# Allegro board 6089-119-RevB_08.brd (continued)
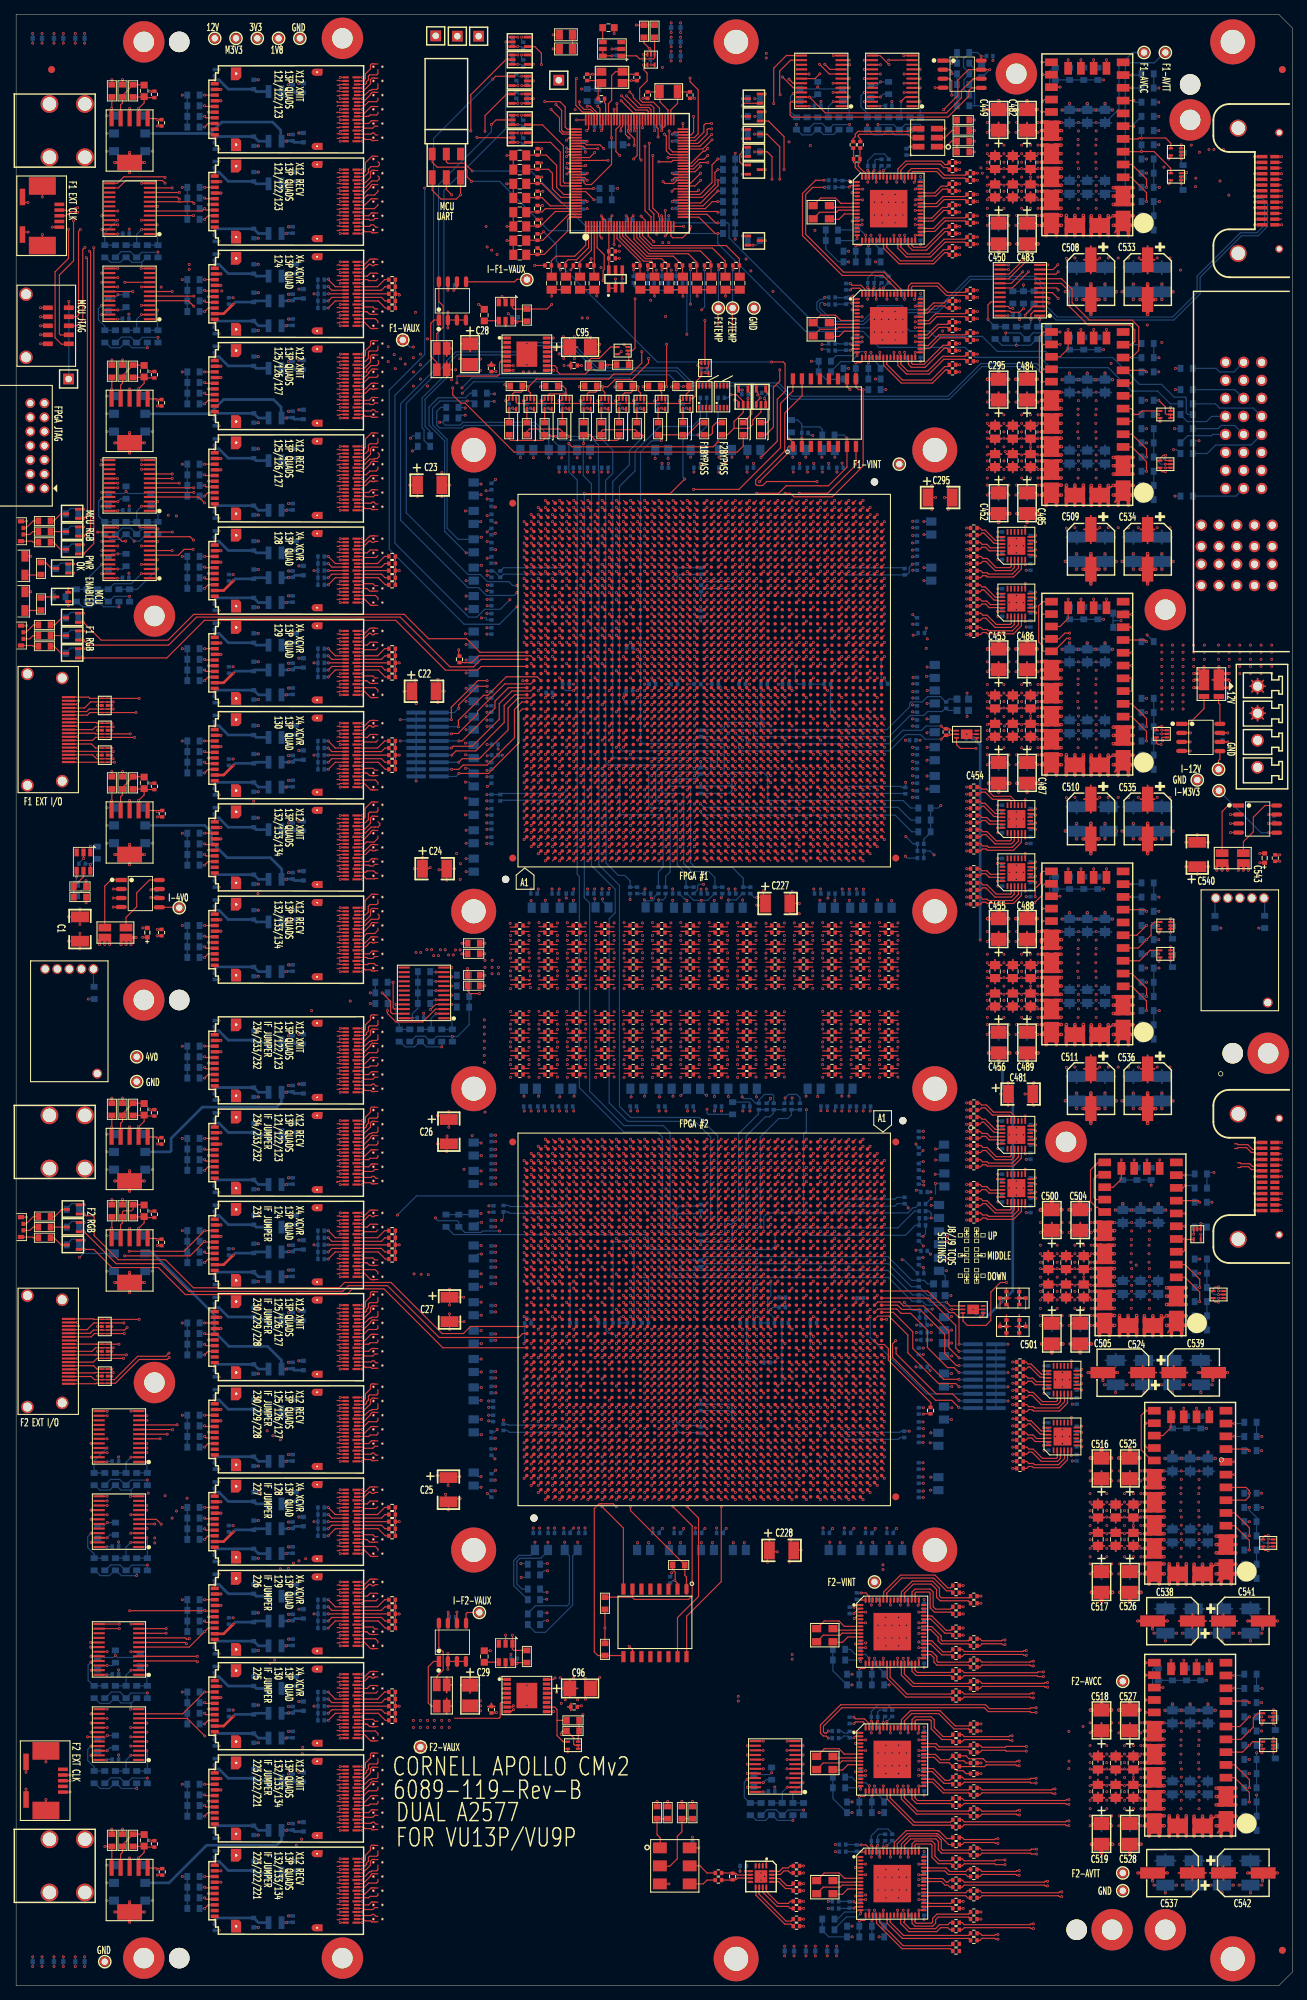
[diagram p0: board, top side]
## Routing (per net, layer and track width the routed paths; a pad name or vN(x,y) marks a point on that pad's centre or on a via; arc(x,y) is an arc through that point) (continued)
  GND4 w0.254: VA30.4 52.05,202.09 ; VA30.4 51.96,202.22 ; VA30.4 51.63,201.52 ; VA30.4 52.05,201.71 ; VA30.4 51.63,202.28 ; VA30.4 52.02,201.9 ; VA30.4 51.96,201.58 ; VA30.4 51.82,202.31 ; 50.04,28.08 VA95.3 ; VA95.3 50.04,28.72 ; VA95.3 50.18,27.99 ; VA95.3 49.98,28.4 ; VA95.3 50.37,28.02 ; VA95.3 49.95,28.21 ; VA95.3 50.37,28.78 ; VA95.3 49.95,28.59 ; VA58.4 51.96,126.08 ; VA58.4 51.96,126.72 ; VA58.4 52.05,126.21 ; VA58.4 52.05,126.59 ; VA58.4 51.82,126.81 ; VA58.4 51.63,126.02 ; VA58.4 52.02,126.4 ; VA58.4 51.63,126.78 ; 50.04,168.58 VA40.4 ; VA40.4 49.95,169.09 ; VA40.4 49.98,168.9 ; VA40.4 50.18,168.49 ; VA40.4 50.04,169.22 ; VA40.4 50.37,169.28 ; VA40.4 50.37,168.52 ; VA40.4 49.95,168.71 ; VA89.4 51.82,44.31 ; VA89.4 52.05,44.09 ; VA89.4 51.96,44.22 ; VA89.4 52.05,43.71 ; VA89.4 51.63,43.52 ; VA89.4 51.63,44.28 ; VA89.4 52.02,43.9 ; VA89.4 51.96,43.58 ; VA5.4 52.05,262.59 ; VA5.4 51.63,262.78 ; VA5.4 51.63,262.02 ; VA5.4 51.96,262.08 ; VA5.4 52.02,262.4 ; VA5.4 51.82,262.81 ; VA5.4 52.05,262.21 ; VA5.4 51.96,262.72 ; 5.43,169.74 J5.21 ; J5.21 6.5,168.67 ; J5.21 5.69,168.93 ; J5.21 7.31,168.93 ; J5.21 7.57,169.74 ; J5.21 7.31,170.54 ; J5.21 5.69,170.54 ; J5.21 6.5,170.8 ; VA99.4 51.63,19.78 ; VA99.4 51.96,19.08 ; VA99.4 52.05,19.59 ; VA99.4 52.05,19.21 ; VA99.4 51.63,19.02 ; VA99.4 51.82,19.81 ; VA99.4 51.96,19.72 ; VA99.4 52.02,19.4 ; 50.18,129.99 VA56.3 ; VA56.3 49.95,130.21 ; VA56.3 50.04,130.08 ; VA56.3 50.04,130.72 ; VA56.3 49.98,130.4 ; VA56.3 50.37,130.02 ; VA56.3 50.37,130.78 ; VA56.3 49.95,130.59 ; 50.04,68.22 VA82.3 ; VA82.3 49.95,68.09 ; VA82.3 49.95,67.71 ; VA82.3 50.37,67.52 ; VA82.3 49.98,67.9 ; VA82.3 50.04,67.58 ; VA82.3 50.37,68.28 ; VA82.3 50.18,67.49 ; 49.98,99.9 VA68.4 ; VA68.4 49.95,100.09 ; VA68.4 50.04,99.58 ; VA68.4 50.04,100.22 ; VA68.4 49.95,99.71 ; VA68.4 50.18,99.49 ; VA68.4 50.37,99.52 ; VA68.4 50.37,100.28 ; VA69.4 51.82,97.81 ; VA69.4 52.05,97.21 ; VA69.4 51.63,97.78 ; VA69.4 51.63,97.02 ; VA69.4 51.96,97.72 ; VA69.4 52.05,97.59 ; VA69.4 51.96,97.08 ; VA69.4 52.02,97.4 ; VA103.4 52.05,11.21 ; VA103.4 51.96,11.72 ; VA103.4 51.82,11.81 ; VA103.4 52.05,11.59 ; VA103.4 51.63,11.78 ; VA103.4 52.02,11.4 ; VA103.4 51.63,11.02 ; VA103.4 51.96,11.08 ; 50.37,223.02 VA21.3 ; VA21.3 50.04,223.08 ; VA21.3 49.98,223.4 ; VA21.3 50.04,223.72 ; VA21.3 49.95,223.59 ; VA21.3 50.37,223.78 ; VA21.3 49.95,223.21 ; VA21.3 50.18,222.99 ; VA92.3 51.96,35.22 ; VA92.3 51.96,34.58 ; VA92.3 51.82,35.31 ; VA92.3 51.63,34.52 ; VA92.3 52.05,34.71 ; VA92.3 52.02,34.9 ; VA92.3 52.05,35.09 ; VA92.3 51.63,35.28 ; 49.95,182.09 VA36.4 ; VA36.4 50.37,181.52 ; VA36.4 50.18,181.49 ; VA36.4 49.98,181.9 ; VA36.4 50.37,182.28 ; VA36.4 49.95,181.71 ; VA36.4 50.04,182.22 ; VA36.4 50.04,181.58 ; 49.95,229.59 VA18.3 ; VA18.3 50.04,229.72 ; VA18.3 50.04,229.08 ; VA18.3 50.37,229.78 ; VA18.3 49.98,229.4 ; VA18.3 50.18,228.99 ; VA18.3 50.37,229.02 ; VA18.3 49.95,229.21 ; VA48.4 51.63,151.78 ; VA48.4 52.05,151.21 ; VA48.4 52.02,151.4 ; VA48.4 51.96,151.72 ; VA48.4 52.05,151.59 ; VA48.4 51.96,151.08 ; VA48.4 51.82,151.81 ; VA48.4 51.63,151.02 ; 50.04,80.72 VA77.3 ; VA77.3 49.95,80.21 ; VA77.3 50.04,80.08 ; VA77.3 49.95,80.59 ; VA77.3 49.98,80.4 ; VA77.3 50.18,79.99 ; VA77.3 50.37,80.78 ; VA77.3 50.37,80.02 ; 49.95,97.59 VA69.3 ; VA69.3 50.18,96.99 ; VA69.3 49.95,97.21 ; VA69.3 50.37,97.78 ; VA69.3 50.04,97.08 ; VA69.3 50.37,97.02 ; VA69.3 50.04,97.72 ; VA69.3 49.98,97.4 ; 49.95,264.21 VA4.3 ; VA4.3 50.37,264.02 ; VA4.3 50.37,264.78 ; VA4.3 49.95,264.59 ; VA4.3 49.98,264.4 ; VA4.3 50.04,264.08 ; VA4.3 50.04,264.72 ; VA4.3 50.18,263.99 ; VA17.4 52.05,231.21 ; VA17.4 52.02,231.4 ; VA17.4 51.63,231.78 ; VA17.4 52.05,231.59 ; VA17.4 51.63,231.02 ; VA17.4 51.96,231.08 ; VA17.4 51.82,231.81 ; VA17.4 51.96,231.72 ; VA45.3 50.37,158.78 ; VA45.3 49.95,158.59 ; VA45.3 49.98,158.4 ; VA45.3 50.04,158.08 ; VA45.3 49.95,158.21 ; VA45.3 50.37,158.02 ; VA45.3 50.18,157.99 ; VA45.3 50.04,158.72 ; 49.95,22.21 VA98.3 ; VA98.3 50.04,22.08 ; VA98.3 50.04,22.72 ; VA98.3 50.18,21.99 ; VA98.3 49.98,22.4 ; VA98.3 50.37,22.78 ; VA98.3 49.95,22.59 ; VA98.3 50.37,22.02 ; 51.63,22.02 VA98.4 ; VA98.4 51.63,22.78 ; VA98.4 51.96,22.08 ; VA98.4 52.05,22.59 ; VA98.4 51.96,22.72 ; VA98.4 52.05,22.21 ; VA98.4 51.82,22.81 ; VA98.4 52.02,22.4 ; 49.95,17.59 VA100.3 ; VA100.3 50.04,17.08 ; VA100.3 50.37,17.78 ; VA100.3 49.95,17.21 ; VA100.3 50.37,17.02 ; VA100.3 50.18,16.99 ; VA100.3 49.98,17.4 ; VA100.3 50.04,17.72 ; 50.37,162.02 VA43.3 ; VA43.3 49.98,162.4 ; VA43.3 49.95,162.59 ; VA43.3 50.04,162.72 ; VA43.3 49.95,162.21 ; VA43.3 50.37,162.78 ; VA43.3 50.18,161.99 ; VA43.3 50.04,162.08 ; 49.98,268.4 VA2.3 ; VA2.3 50.18,267.99 ; VA2.3 50.04,268.08 ; VA2.3 50.04,268.72 ; VA2.3 50.37,268.78 ; VA2.3 50.37,268.02 ; VA2.3 49.95,268.59 ; VA2.3 49.95,268.21 ; 49.95,218.21 VA23.3 ; VA23.3 49.98,218.4 ; VA23.3 50.18,217.99 ; VA23.3 50.37,218.78 ; VA23.3 50.04,218.72 ; VA23.3 49.95,218.59 ; VA23.3 50.37,218.02 ; VA23.3 50.04,218.08 ; VA76.4 51.82,82.81 ; VA76.4 51.63,82.02 ; VA76.4 51.63,82.78 ; VA76.4 52.05,82.59 ; VA76.4 51.96,82.08 ; VA76.4 51.96,82.72 ; VA76.4 52.02,82.4 ; VA76.4 52.05,82.21 ; VA88.3 51.82,48.31 ; VA88.3 51.96,47.58 ; VA88.3 51.96,48.22 ; VA88.3 51.63,47.52 ; VA88.3 52.05,48.09 ; VA88.3 51.63,48.28 ; VA88.3 52.05,47.71 ; VA88.3 52.02,47.9 ; 51.63,247.02 VA12.4 ; VA12.4 51.82,247.81 ; VA12.4 52.05,247.59 ; VA12.4 51.96,247.72 ; VA12.4 52.02,247.4 ; VA12.4 51.96,247.08 ; VA12.4 52.05,247.21 ; VA12.4 51.63,247.78 ; 49.98,123.4 VA59.3 ; VA59.3 50.04,123.72 ; VA59.3 49.95,123.21 ; VA59.3 50.04,123.08 ; VA59.3 50.37,123.02 ; VA59.3 50.18,122.99 ; VA59.3 50.37,123.78 ; VA59.3 49.95,123.59 ; VA73.3 50.37,89.78 ; VA73.3 50.04,89.08 ; VA73.3 50.04,89.72 ; VA73.3 50.18,88.99 ; VA73.3 49.98,89.4 ; VA73.3 50.37,89.02 ; VA73.3 49.95,89.59 ; VA73.3 49.95,89.21 ; 50.18,248.99 VA11.3 ; VA11.3 50.04,249.72 ; VA11.3 49.95,249.59 ; VA11.3 50.37,249.78 ; VA11.3 49.95,249.21 ; VA11.3 49.98,249.4 ; VA11.3 50.04,249.08 ; VA11.3 50.37,249.02 ; VA78.4 52.05,78.59 ; VA78.4 52.05,78.21 ; VA78.4 51.96,78.72 ; VA78.4 51.63,78.78 ; VA78.4 52.02,78.4 ; VA78.4 51.63,78.02 ; VA78.4 51.96,78.08 ; VA78.4 51.82,78.81 ; VA24.4 51.96,216.08 ; VA24.4 51.96,216.72 ; VA24.4 52.02,216.4 ; VA24.4 51.63,216.78 ; VA24.4 52.05,216.21 ; VA24.4 52.05,216.59 ; VA24.4 51.82,216.81 ; VA24.4 51.63,216.02 ; VA66.4 51.96,107.22 ; VA66.4 52.02,106.9 ; VA66.4 52.05,107.09 ; VA66.4 51.63,106.52 ; VA66.4 52.05,106.71 ; VA66.4 51.96,106.58 ; VA66.4 51.63,107.28 ; VA66.4 51.82,107.31 ; VA31.3 52.05,197.09 ; VA31.3 51.63,196.52 ; VA31.3 51.82,197.31 ; VA31.3 52.02,196.9 ; VA31.3 52.05,196.71 ; VA31.3 51.96,197.22 ; VA31.3 51.63,197.28 ; VA31.3 51.96,196.58 ; 49.95,191.09 VA33.3 ; VA33.3 49.98,190.9 ; VA33.3 50.04,191.22 ; VA33.3 50.37,190.52 ; VA33.3 50.37,191.28 ; VA33.3 49.95,190.71 ; VA33.3 50.04,190.58 ; VA33.3 50.18,190.49 ; 49.98,13.4 VA102.3 ; VA102.3 49.95,13.21 ; VA102.3 50.04,13.72 ; VA102.3 50.37,13.02 ; VA102.3 49.95,13.59 ; VA102.3 50.04,13.08 ; VA102.3 50.18,12.99 ; VA102.3 50.37,13.78 ; VA101.4 51.63,15.78 ; VA101.4 51.96,15.08 ; VA101.4 52.05,15.59 ; VA101.4 51.96,15.72 ; VA101.4 51.82,15.81 ; VA101.4 52.02,15.4 ; VA101.4 51.63,15.02 ; VA101.4 52.05,15.21 ; VA41.4 52.05,166.59 ; VA41.4 51.63,166.02 ; VA41.4 51.96,166.72 ; VA41.4 51.96,166.08 ; VA41.4 51.63,166.78 ; VA41.4 52.05,166.21 ; VA41.4 52.02,166.4 ; VA41.4 51.82,166.81 ; VA64.4 51.96,113.72 ; VA64.4 51.63,113.78 ; VA64.4 51.82,113.81 ; VA64.4 52.02,113.4 ; VA64.4 52.05,113.21 ; VA64.4 51.96,113.08 ; VA64.4 51.63,113.02 ; VA64.4 52.05,113.59 ; VA41.3 50.37,166.78 ; VA41.3 49.95,166.21 ; VA41.3 50.37,166.02 ; VA41.3 50.04,166.08 ; VA41.3 49.95,166.59 ; VA41.3 49.98,166.4 ; VA41.3 50.18,165.99 ; VA41.3 50.04,166.72 ; VA11.4 52.02,249.4 ; VA11.4 52.05,249.59 ; VA11.4 51.63,249.02 ; VA11.4 51.96,249.08 ; VA11.4 51.63,249.78 ; VA11.4 52.05,249.21 ; VA11.4 51.96,249.72 ; VA11.4 51.82,249.81 ; VA19.4 52.02,227.4 ; VA19.4 51.96,227.08 ; VA19.4 51.82,227.81 ; VA19.4 51.63,227.02 ; VA19.4 52.05,227.59 ; VA19.4 51.96,227.72 ; VA19.4 52.05,227.21 ; VA19.4 51.63,227.78 ; VA4.4 51.96,264.72 ; VA4.4 51.82,264.81 ; VA4.4 51.63,264.02 ; VA4.4 52.05,264.59 ; VA4.4 51.96,264.08 ; VA4.4 52.02,264.4 ; VA4.4 51.63,264.78 ; VA4.4 52.05,264.21 ; VA20.4 52.02,225.4 ; VA20.4 52.05,225.59 ; VA20.4 51.63,225.02 ; VA20.4 51.63,225.78 ; VA20.4 52.05,225.21 ; VA20.4 51.96,225.08 ; VA20.4 51.82,225.81 ; VA20.4 51.96,225.72 ; 49.98,113.4 VA64.3 ; VA64.3 50.18,112.99 ; VA64.3 49.95,113.21 ; VA64.3 50.37,113.78 ; VA64.3 50.04,113.72 ; VA64.3 49.95,113.59 ; VA64.3 50.37,113.02 ; VA64.3 50.04,113.08 ; VA1.4 51.96,270.72 ; VA1.4 52.02,270.4 ; VA1.4 51.63,270.78 ; VA1.4 51.63,270.02 ; VA1.4 51.82,270.81 ; VA1.4 52.05,270.59 ; VA1.4 52.05,270.21 ; VA1.4 51.96,270.08 ; 50.04,270.08 VA1.3 ; VA1.3 49.95,270.21 ; VA1.3 49.98,270.4 ; VA1.3 50.37,270.02 ; VA1.3 50.04,270.72 ; VA1.3 50.18,269.99 ; VA1.3 50.37,270.78 ; VA1.3 49.95,270.59 ; VA93.4 52.02,32.4 ; VA93.4 51.96,32.08 ; VA93.4 52.05,32.21 ; VA93.4 51.96,32.72 ; VA93.4 51.63,32.02 ; VA93.4 51.63,32.78 ; VA93.4 52.05,32.59 ; VA93.4 51.82,32.81 ; VA26.4 51.63,212.78 ; VA26.4 52.02,212.4 ; VA26.4 51.96,212.08 ; VA26.4 51.96,212.72 ; VA26.4 51.63,212.02 ; VA26.4 52.05,212.21 ; VA26.4 52.05,212.59 ; VA26.4 51.82,212.81 ; VA83.3 51.96,63.22 ; VA83.3 52.05,62.71 ; VA83.3 51.63,63.28 ; VA83.3 52.02,62.9 ; VA83.3 52.05,63.09 ; VA83.3 51.63,62.52 ; VA83.3 51.96,62.58 ; VA83.3 51.82,63.31 ; VA90.4 51.96,41.58 ; VA90.4 51.96,42.22 ; VA90.4 51.63,41.52 ; VA90.4 52.02,41.9 ; VA90.4 52.05,42.09 ; VA90.4 51.82,42.31 ; VA90.4 52.05,41.71 ; VA90.4 51.63,42.28 ; 49.98,225.4 VA20.3 ; VA20.3 50.04,225.08 ; VA20.3 49.95,225.59 ; VA20.3 49.95,225.21 ; VA20.3 50.04,225.72 ; VA20.3 50.18,224.99 ; VA20.3 50.37,225.78 ; VA20.3 50.37,225.02 ; 50.18,177.49 VA37.3 ; VA37.3 49.95,178.09 ; VA37.3 50.04,177.58 ; VA37.3 49.95,177.71 ; VA37.3 50.37,178.28 ; VA37.3 50.04,178.22 ; VA37.3 50.37,177.52 ; VA37.3 49.98,177.9 ; VA7.4 51.96,257.72 ; VA7.4 52.05,257.59 ; VA7.4 51.63,257.02 ; VA7.4 51.63,257.78 ; VA7.4 51.82,257.81 ; VA7.4 51.96,257.08 ; VA7.4 52.02,257.4 ; VA7.4 52.05,257.21 ; 50.18,8.99 VA104.3 ; VA104.3 49.95,9.21 ; VA104.3 50.04,9.72 ; VA104.3 50.37,9.02 ; VA104.3 49.95,9.59 ; VA104.3 50.04,9.08 ; VA104.3 50.37,9.78 ; VA104.3 49.98,9.4 ; VA63.4 52.02,115.4 ; VA63.4 51.96,115.08 ; VA63.4 51.63,115.78 ; VA63.4 52.05,115.21 ; VA63.4 51.96,115.72 ; VA63.4 52.05,115.59 ; VA63.4 51.63,115.02 ; VA63.4 51.82,115.81 ; J5.22 6.5,185.33 ; J5.22 7.31,185.07 ; J5.22 7.31,183.46 ; J5.22 6.5,183.2 ; J5.22 7.57,184.26 ; J5.22 5.69,183.46 ; J5.22 5.69,185.07 ; J5.22 5.43,184.26 ; PM9.1 40.67,273.73 ; PM9.1 40,273.52 ; PM9.1 40,275.28 ; PM9.1 40.67,275.07 ; PM9.1 39.33,273.73 ; PM9.1 39.12,274.4 ; PM9.1 39.33,275.07 ; PM9.1 40.88,274.4 ; 50.04,134.72 VA54.3 ; VA54.3 50.04,134.08 ; VA54.3 49.98,134.4 ; VA54.3 50.37,134.02 ; VA54.3 49.95,134.59 ; VA54.3 50.18,133.99 ; VA54.3 49.95,134.21 ; VA54.3 50.37,134.78 ; VA29.4 52.05,204.09 ; VA29.4 51.63,203.52 ; VA29.4 51.96,204.22 ; VA29.4 52.02,203.9 ; VA29.4 51.82,204.31 ; VA29.4 52.05,203.71 ; VA29.4 51.63,204.28 ; VA29.4 51.96,203.58 ; VA57.4 51.82,128.81 ; VA57.4 51.96,128.08 ; VA57.4 52.05,128.59 ; VA57.4 52.02,128.4 ; VA57.4 51.63,128.78 ; VA57.4 52.05,128.21 ; VA57.4 51.96,128.72 ; VA57.4 51.63,128.02 ; VA102.4 51.63,13.78 ; VA102.4 51.63,13.02 ; VA102.4 51.96,13.72 ; VA102.4 52.02,13.4 ; VA102.4 51.96,13.08 ; VA102.4 52.05,13.21 ; VA102.4 51.82,13.81 ; VA102.4 52.05,13.59 ; VA22.4 52.05,221.59 ; VA22.4 52.05,221.21 ; VA22.4 51.63,221.02 ; VA22.4 51.96,221.08 ; VA22.4 51.82,221.81 ; VA22.4 51.63,221.78 ; VA22.4 51.96,221.72 ; VA22.4 52.02,221.4 ; 50.04,210.72 VA27.3 ; VA27.3 50.37,210.78 ; VA27.3 50.37,210.02 ; VA27.3 50.04,210.08 ; VA27.3 49.95,210.59 ; VA27.3 49.98,210.4 ; VA27.3 50.18,209.99 ; VA27.3 49.95,210.21 ; VA51.4 52.05,145.59 ; VA51.4 52.05,145.21 ; VA51.4 51.63,145.78 ; VA51.4 51.82,145.81 ; VA51.4 51.96,145.08 ; VA51.4 51.96,145.72 ; VA51.4 52.02,145.4 ; VA51.4 51.63,145.02 ; 50.04,93.08 VA71.3 ; VA71.3 49.95,93.21 ; VA71.3 50.18,92.99 ; VA71.3 49.95,93.59 ; VA71.3 50.37,93.02 ; VA71.3 50.37,93.78 ; VA71.3 49.98,93.4 ; VA71.3 50.04,93.72 ; PM3.1 17,128.28 ; PM3.1 16.12,127.4 ; PM3.1 16.33,128.07 ; PM3.1 17.67,128.07 ; PM3.1 17,126.52 ; PM3.1 17.67,126.73 ; PM3.1 16.33,126.73 ; PM3.1 17.88,127.4 ; VA35.3 51.63,184.28 ; VA35.3 51.96,183.58 ; VA35.3 52.05,183.71 ; VA35.3 51.82,184.31 ; VA35.3 52.02,183.9 ; VA35.3 52.05,184.09 ; VA35.3 51.63,183.52 ; VA35.3 51.96,184.22 ; 50.18,252.99 VA9.3 ; VA9.3 49.98,253.4 ; VA9.3 50.04,253.08 ; VA9.3 50.37,253.02 ; VA9.3 49.95,253.59 ; VA9.3 50.04,253.72 ; VA9.3 50.37,253.78 ; VA9.3 49.95,253.21 ; J6.23 2.64,97.7 ; J6.23 1.6,96.18 ; J6.23 2.4,96.44 ; J6.23 1.15,96.2 ; J6.23 2.05,98.29 ; J6.23 2.66,97.25 ; J6.23 2.4,98.05 ; J6.23 1.6,98.32 ; J6.20 2.64,82 ; J6.20 1.6,80.48 ; J6.20 1.15,80.51 ; J6.20 2.66,81.55 ; J6.20 1.6,82.62 ; J6.20 2.05,82.6 ; J6.20 2.4,80.75 ; J6.20 2.4,82.36 ; VA76.3 50.37,82.78 ; VA76.3 50.04,82.08 ; VA76.3 49.95,82.59 ; VA76.3 49.98,82.4 ; VA76.3 50.37,82.02 ; VA76.3 49.95,82.21 ; VA76.3 50.04,82.72 ; VA76.3 50.18,81.99 ; VA61.4 52.05,119.21 ; VA61.4 51.96,119.08 ; VA61.4 51.63,119.78 ; VA61.4 51.96,119.72 ; VA61.4 51.63,119.02 ; VA61.4 52.02,119.4 ; VA61.4 52.05,119.59 ; VA61.4 51.82,119.81 ; VA44.4 51.96,160.72 ; VA44.4 51.63,160.02 ; VA44.4 51.96,160.08 ; VA44.4 52.02,160.4 ; VA44.4 51.63,160.78 ; VA44.4 51.82,160.81 ; VA44.4 52.05,160.59 ; VA44.4 52.05,160.21 ; 50.37,43.52 VA89.3 ; VA89.3 49.95,43.71 ; VA89.3 49.98,43.9 ; VA89.3 50.37,44.28 ; VA89.3 50.04,44.22 ; VA89.3 50.04,43.58 ; VA89.3 50.18,43.49 ; VA89.3 49.95,44.09 ; 50.04,242.58 VA13.3 ; VA13.3 49.98,242.9 ; VA13.3 50.18,242.49 ; VA13.3 50.37,242.52 ; VA13.3 50.37,243.28 ; VA13.3 49.95,242.71 ; VA13.3 49.95,243.09 ; VA13.3 50.04,243.22 ; 50.04,143.08 VA52.3 ; VA52.3 49.95,143.21 ; VA52.3 50.37,143.02 ; VA52.3 50.18,142.99 ; VA52.3 50.04,143.72 ; VA52.3 49.95,143.59 ; VA52.3 50.37,143.78 ; VA52.3 49.98,143.4 ; VA27.4 52.05,210.21 ; VA27.4 51.82,210.81 ; VA27.4 51.96,210.72 ; VA27.4 51.96,210.08 ; VA27.4 52.02,210.4 ; VA27.4 51.63,210.02 ; VA27.4 52.05,210.59 ; VA27.4 51.63,210.78 ; VA95.4 51.96,28.72 ; VA95.4 51.82,28.81 ; VA95.4 52.05,28.59 ; VA95.4 51.63,28.78 ; VA95.4 51.63,28.02 ; VA95.4 52.05,28.21 ; VA95.4 52.02,28.4 ; VA95.4 51.96,28.08 ; VA28.4 51.63,208.78 ; VA28.4 52.05,208.59 ; VA28.4 51.63,208.02 ; VA28.4 52.05,208.21 ; VA28.4 51.96,208.08 ; VA28.4 52.02,208.4 ; VA28.4 51.82,208.81 ; VA28.4 51.96,208.72 ; J5.23 2.05,185.89 ; J5.23 1.6,185.92 ; J5.23 1.6,183.78 ; J5.23 2.64,185.3 ; J5.23 1.15,183.8 ; J5.23 2.66,184.85 ; J5.23 2.4,185.65 ; J5.23 2.4,184.04 ; VA85.4 52.02,56.9 ; VA85.4 51.96,56.58 ; VA85.4 51.63,56.52 ; VA85.4 52.05,57.09 ; VA85.4 51.96,57.22 ; VA85.4 52.05,56.71 ; VA85.4 51.63,57.28 ; VA85.4 51.82,57.31 ; VA34.4 52.05,188.71 ; VA34.4 51.63,189.28 ; VA34.4 51.63,188.52 ; VA34.4 51.96,189.22 ; VA34.4 52.05,189.09 ; VA34.4 51.96,188.58 ; VA34.4 51.82,189.31 ; VA34.4 52.02,188.9 ; 104,235.52 PM16.1 ; PM16.1 103.12,236.4 ; PM16.1 104.67,235.73 ; PM16.1 103.33,237.07 ; PM16.1 104,237.28 ; PM16.1 104.88,236.4 ; PM16.1 104.67,237.07 ; PM16.1 103.33,235.73 ; 50.04,62.58 VA83.4 ; VA83.4 50.18,62.49 ; VA83.4 49.98,62.9 ; VA83.4 50.37,63.28 ; VA83.4 49.95,62.71 ; VA83.4 50.37,62.52 ; VA83.4 50.04,63.22 ; VA83.4 49.95,63.09 ; VA60.4 51.96,121.08 ; VA60.4 52.05,121.21 ; VA60.4 51.63,121.78 ; VA60.4 51.82,121.81 ; VA60.4 51.63,121.02 ; VA60.4 51.96,121.72 ; VA60.4 52.02,121.4 ; VA60.4 52.05,121.59 ; 50.18,125.99 VA58.3 ; VA58.3 49.98,126.4 ; VA58.3 50.04,126.08 ; VA58.3 50.37,126.78 ; VA58.3 50.04,126.72 ; VA58.3 50.37,126.02 ; VA58.3 49.95,126.21 ; VA58.3 49.95,126.59 ; 49.98,60.9 VA84.4 ; VA84.4 50.04,60.58 ; VA84.4 49.95,60.71 ; VA84.4 50.37,61.28 ; VA84.4 49.95,61.09 ; VA84.4 50.04,61.22 ; VA84.4 50.37,60.52 ; VA84.4 50.18,60.49 ; PM24.1 167.17,170.57 ; PM24.1 166.5,170.78 ; PM24.1 167.38,169.9 ; PM24.1 166.5,169.02 ; PM24.1 165.62,169.9 ; PM24.1 167.17,169.23 ; PM24.1 165.83,170.57 ; PM24.1 165.83,169.23 ; 50.04,149.08 VA49.3 ; VA49.3 49.98,149.4 ; VA49.3 50.37,149.02 ; VA49.3 49.95,149.21 ; VA49.3 50.37,149.78 ; VA49.3 50.04,149.72 ; VA49.3 50.18,148.99 ; VA49.3 49.95,149.59 ; 49.95,262.59 VA5.3 ; VA5.3 49.95,262.21 ; VA5.3 50.18,261.99 ; VA5.3 50.04,262.72 ; VA5.3 49.98,262.4 ; VA5.3 50.04,262.08 ; VA5.3 50.37,262.78 ; VA5.3 50.37,262.02 ; VA9.4 52.05,253.59 ; VA9.4 52.02,253.4 ; VA9.4 51.96,253.08 ; VA9.4 51.63,253.78 ; VA9.4 51.82,253.81 ; VA9.4 52.05,253.21 ; VA9.4 51.63,253.02 ; VA9.4 51.96,253.72 ; VA14.4 52.05,241.09 ; VA14.4 51.82,241.31 ; VA14.4 51.96,240.58 ; VA14.4 52.05,240.71 ; VA14.4 51.63,241.28 ; VA14.4 51.63,240.52 ; VA14.4 52.02,240.9 ; VA14.4 51.96,241.22 ; 51.63,242.52 VA13.4 ; VA13.4 51.63,243.28 ; VA13.4 52.02,242.9 ; VA13.4 52.05,243.09 ; VA13.4 51.82,243.31 ; VA13.4 51.96,243.22 ; VA13.4 51.96,242.58 ; VA13.4 52.05,242.71 ; VA39.3 51.63,171.28 ; VA39.3 52.05,170.71 ; VA39.3 52.02,170.9 ; VA39.3 51.82,171.31 ; VA39.3 51.96,171.22 ; VA39.3 51.96,170.58 ; VA39.3 51.63,170.52 ; VA39.3 52.05,171.09 ; VA81.4 52.05,69.71 ; VA81.4 52.05,70.09 ; VA81.4 51.63,69.52 ; VA81.4 52.02,69.9 ; VA81.4 51.96,69.58 ; VA81.4 51.96,70.22 ; VA81.4 51.63,70.28 ; VA81.4 51.82,70.31 ; 50.04,119.72 VA61.3 ; VA61.3 50.18,118.99 ; VA61.3 49.95,119.21 ; VA61.3 49.98,119.4 ; VA61.3 50.37,119.78 ; VA61.3 49.95,119.59 ; VA61.3 50.04,119.08 ; VA61.3 50.37,119.02 ; 49.95,102.09 VA67.4 ; VA67.4 49.98,101.9 ; VA67.4 50.37,101.52 ; VA67.4 50.04,102.22 ; VA67.4 50.04,101.58 ; VA67.4 50.37,102.28 ; VA67.4 50.18,101.49 ; VA67.4 49.95,101.71 ; VA79.4 51.96,76.72 ; VA79.4 51.82,76.81 ; VA79.4 52.05,76.21 ; VA79.4 52.02,76.4 ; VA79.4 51.63,76.78 ; VA79.4 51.96,76.08 ; VA79.4 52.05,76.59 ; VA79.4 51.63,76.02 ; VA94.4 51.63,30.78 ; VA94.4 51.82,30.81 ; VA94.4 52.02,30.4 ; VA94.4 51.96,30.08 ; VA94.4 52.05,30.59 ; VA94.4 51.63,30.02 ; VA94.4 51.96,30.72 ; VA94.4 52.05,30.21 ; VA90.3 50.37,42.28 ; VA90.3 50.04,42.22 ; VA90.3 50.04,41.58 ; VA90.3 49.95,41.71 ; VA90.3 50.37,41.52 ; VA90.3 49.95,42.09 ; VA90.3 50.18,41.49 ; VA90.3 49.98,41.9 ; 50.18,194.49 VA32.4 ; VA32.4 50.37,194.52 ; VA32.4 49.95,194.71 ; VA32.4 49.98,194.9 ; VA32.4 49.95,195.09 ; VA32.4 50.04,194.58 ; VA32.4 50.04,195.22 ; VA32.4 50.37,195.28 ; VA21.4 52.05,223.59 ; VA21.4 52.05,223.21 ; VA21.4 51.96,223.08 ; VA21.4 51.96,223.72 ; VA21.4 51.63,223.02 ; VA21.4 51.63,223.78 ; VA21.4 52.02,223.4 ; VA21.4 51.82,223.81 ; 49.95,240.71 VA14.3 ; VA14.3 50.37,240.52 ; VA14.3 49.95,241.09 ; VA14.3 50.18,240.49 ; VA14.3 50.04,241.22 ; VA14.3 49.98,240.9 ; VA14.3 50.04,240.58 ; VA14.3 50.37,241.28 ; VA8.4 51.63,255.78 ; VA8.4 51.63,255.02 ; VA8.4 51.96,255.08 ; VA8.4 52.05,255.59 ; VA8.4 51.82,255.81 ; VA8.4 52.02,255.4 ; VA8.4 52.05,255.21 ; VA8.4 51.96,255.72 ; VA33.4 52.05,190.71 ; VA33.4 51.63,190.52 ; VA33.4 51.96,191.22 ; VA33.4 51.82,191.31 ; VA33.4 52.05,191.09 ; VA33.4 51.96,190.58 ; VA33.4 52.02,190.9 ; VA33.4 51.63,191.28 ; 50.18,10.99 VA103.3 ; VA103.3 49.95,11.21 ; VA103.3 49.95,11.59 ; VA103.3 50.37,11.02 ; VA103.3 50.04,11.72 ; VA103.3 50.37,11.78 ; VA103.3 49.98,11.4 ; VA103.3 50.04,11.08 ; VA2.4 51.96,268.72 ; VA2.4 52.05,268.21 ; VA2.4 51.82,268.81 ; VA2.4 52.05,268.59 ; VA2.4 51.63,268.78 ; VA2.4 51.63,268.02 ; VA2.4 51.96,268.08 ; VA2.4 52.02,268.4 ; 50.18,215.99 VA24.3 ; VA24.3 49.95,216.59 ; VA24.3 49.98,216.4 ; VA24.3 50.04,216.08 ; VA24.3 50.37,216.78 ; VA24.3 50.04,216.72 ; VA24.3 49.95,216.21 ; VA24.3 50.37,216.02 ; 49.95,183.71 VA35.4 ; VA35.4 49.98,183.9 ; VA35.4 50.37,184.28 ; VA35.4 50.37,183.52 ; VA35.4 50.04,183.58 ; VA35.4 49.95,184.09 ; VA35.4 50.18,183.49 ; VA35.4 50.04,184.22 ; 51.63,84.02 VA75.4 ; VA75.4 52.02,84.4 ; VA75.4 51.82,84.81 ; VA75.4 52.05,84.21 ; VA75.4 51.63,84.78 ; VA75.4 52.05,84.59 ; VA75.4 51.96,84.08 ; VA75.4 51.96,84.72 ; 49.95,170.71 VA39.4 ; VA39.4 50.04,170.58 ; VA39.4 49.95,171.09 ; VA39.4 49.98,170.9 ; VA39.4 50.37,171.28 ; VA39.4 50.18,170.49 ; VA39.4 50.37,170.52 ; VA39.4 50.04,171.22 